# KiCad board Rogelio Pineda part 3-AMLDC-2044B.kicad_pcb (continued)
## Routing (per net, layer and track width the routed paths; a pad name or vN(x,y) marks a point on that pad's centre or on a via; arc(x,y) is an arc through that point) (continued)
  Top w0.25: 127.64,230.52 126.76,230.52 UJ0.7 ; 127.64,230.52 128.42,225.01 C72.2 131.78,220.6 132.39,220 132.39,209.61 132.31,209.69 ; 127.64,230.52 127.87,230.75 ; 127.61,23.3 127.61,6.46 ; 127.61,23.3 127.61,47.86 ; 127.61,23.3 126.72,24.19 UV0.7 ; 127.61,6.46 127.04,5.89 126.58,6.35 UW0.7 ; 127.61,6.46 127.61,-1.32 126.47,-2.46 v1(126.42,-2.46) 126.42,-2.51 126.45,-2.49 ; 127.7,265.87 127.52,265.7 127.4,265.82 UG0.7 ; 127.7,265.87 127.7,282.33 ; 127.7,265.87 127.7,256.82 127.87,256.64 ; 132.31,209.69 UK0.7 ; 132.31,209.69 133,209 133,203.93 ; 127.61,47.86 127.07,48.41 UU0.7 ; 127.61,47.86 128.14,48.38 128.14,67.56 ; 132.82,162.29 132.51,162.6 UM0.7 ; 132.82,162.29 132.82,179.2 ; 132.82,162.29 132.71,162.17 132.71,160.42 128.1,155.82 127.99,155.82 127.99,145.94 ; 127.03,360.99 v2(127.53,363.54) 127.58,363.58 ; 127.03,360.99 R19.2 125,354.15 CR1.2 124.53,350.4 R49.2 126.98,347.95 126.98,339.63 127.03,339.58 127.03,338.79 126.51,338.26 ; 127.03,360.99 127.58,360.99 128.18,360.38 133.28,360.38 133.33,360.44 133.93,358.99 134.33,357.49 135.53,354.74 136.73,352.38 137.03,352.08 C45.1 137.03,348.13 C31.1 ; 127.85,320.57 UD0.7 ; 127.85,320.57 127.85,304.02 ; 127.85,320.57 R72.2 128.73,324.19 128.73,333.54 UC0.7 ; 127.74,247.92 127.87,248.05 127.87,256.64 ; 127.74,247.92 127.58,246.86 127.87,244.03 ; 127.74,247.92 127.55,247.73 UH0.7 ; v2(125.23,334.78) 125.18,334.84 UC0.7 ; 111.33,303.68 111.56,303.91 v1(111.6,303.95) 127.96,303.91 127.85,304.02 ; 127.87,230.75 125.1,224.61 C71.2 ; 127.87,230.75 127.87,244.03 ; 127.99,120.87 127.99,103.01 ; 127.99,120.87 128.13,120.73 UP0.7 ; 127.99,120.87 127.99,145.94 ; 127.99,103.01 127.83,102.85 UR0.7 ; 127.99,103.01 127.99,85.98 ; UE0.7 127.78,301.38 127.87,301.29 ; 127.87,256.64 128.28,257.06 R7.2 ; 128.14,67.56 127.99,67.72 127.99,85.98 ; 128.14,67.56 UT0.7 ; 133,203.93 132.8,203.74 C64.2 ; 133,203.93 133,195.16 132.91,195.07 ; 127.7,282.33 127.87,282.5 127.87,301.29 ; 127.7,282.33 127.64,282.38 UF0.7 ; 126.51,338.26 126.13,337.88 ; 126.51,338.26 126.35,338.26 UC0.7 ; 127.99,85.98 127.78,86.18 US0.7 ; 127.99,145.94 127.8,146.13 UN0.7 ; 127.87,301.29 127.87,304 127.85,304.02 ; 132.91,195.07 132.79,194.96 127.63,194.96 127.26,194.59 C65.2 ; 132.91,195.07 132.91,179.29 132.82,179.2 ; 127.87,244.03 120.3,243.8 v1(115.28,242.98) 115.35,243.01 ; 426.85,106.37 429.33,108.8 428.98,109.15 429.16,115.72 429.47,118.97 429.66,120.77 429.87,125.68 R25.2 428.98,128.79 429.28,128.79 429.68,129.19 429.68,131.08 C8.1 ; J2.1 81.25,160.35 v2(81.33,160.44) ; 132.82,179.2 UL0.7 ; J1.99 81.13,194.13 81.13,194.13 v2(81.18,194.13) 81.18,194.19
V0p10: length 7.8
  Top w0.15: UV0.5 120.09,25.47 120.16,30.72 120.16,31.57 UV0.10
V0p13: length 7.8
  Top w0.15: UV0.13 112.58,31.6 112.58,30.51 112.54,27.94 112.46,25.32 112.46,24.52 UV0.2
V1p12: length 8
  Top w0.15: 153.84,39.49 153.79,39.44 v1(153.72,39.44) 153.72,39.36 153.65,39.3 153.65,39.09 153.3,38.74 153.3,33.19 153.25,33.14 UV1.12
V1p13: length 13.7
  Top w0.15: 148.74,44.94 v1(148.74,45) 148.59,43.5 148.56,43.22 148.44,42.68 148.39,41.29 148.42,40.41 148.44,39.66 148.56,39.08 148.76,38.45 148.89,37.92 149.04,37.04 149.53,35.86 149.72,35.15 150.04,34.39 150.35,33.47 150.49,32.98 150.71,31.75
V3p10: length 7.6
  Top w0.15: 239.36,31.17 239.36,23.55
V3p13: length 7.8
  Top w0.15: 231.74,31.17 231.74,30.69 231.98,30.45 232.11,24.94 231.74,23.55
(no net): length 18057.1
  Top w0: 81.24,324.49 81.25,324.5 v1(82.12,324.5) ; 92.28,324.5 v1(92.32,324.54)
  Top w0.15: 134.47,277.51 133.96,267.21 133.89,266.18 133.73,262.52 133.86,262.15 134.02,261.41 134.23,259.2 133.88,257.55 ; v1(435.61,319.84) 435.44,316.95 435.42,312.99 435.52,312.17 435.38,300.4 435.23,289.38 435.08,273.42 435.08,269.59 435,257.99 435.21,231.03 435.35,229.04 435.35,225.92 v1(435.26,225.84) ; 320.5,153.18 320.55,153.13 ; 320.55,153.13 320.34,149.91 320.37,149.16 320.27,146.13 320.11,144.72 320.05,143.1 319.77,140.56 319.47,139 319.38,137.88 319.18,136.62 319.09,135.36 318.86,134.05 318.68,132.8 318.57,131.26 318.48,130.41 318.37,125.2 318.14,118.52 317.98,92.01 317.93,90.49 317.92,88.57 317.87,87.64 317.76,83.15 317.81,81.66 317.76,76.5 ; 320.55,153.13 320.63,158.59 320.66,159.47 320.83,165.66 320.56,167.03 320.44,167.93 320.18,169.09 319.79,170.93 319.37,171.98 v1(319.01,172.65) ; 223.62,116.12 223.77,114.8 223.62,113.53 v1(223.62,112.17) ; v1(285.47,211.74) 285.54,211.74 288.37,209.3 289.08,208.62 290.07,207.08 289.85,203.46 289.63,202.43 289.32,200.95 289,198.96 288.56,194.89 288.47,193.6 288.05,190.07 287.74,187.61 287.66,175.51 287.59,172.47 287.83,141.8 287.59,133.82 287.43,129.44 ; v1(417.59,222.41) 417.71,224.09 417.57,246.1 417.63,247.47 417.76,255.39 417.76,256.29 417.85,260.4 417.92,261.56 417.69,262.06 417.53,263.08 417.99,264.34 418.1,268.74 417.79,269.13 417.65,270.6 417.74,270.69 417.74,270.86 418.14,271.54 418.04,272.66 418.03,274.11 v1(417.92,274.22) ; 256.65,47.78 v1(256.7,47.8) 256.91,49.13 257.17,50.35 257.21,52.01 257.22,55.84 257,56.05 257,74.83 257.12,75.94 256.84,108.88 256.85,111.9 256.74,114.08 v1(256.6,115.35) 257.13,119.76 256.67,179.95 256.59,185.74 v1(256.41,187.13) ; v1(223.78,287.66) 223.94,288.62 224.18,289.84 224.37,291.46 224.49,294.06 224.48,295.81 224.48,314.65 224.44,317.69 ; v1(281.65,328.19) 281.65,304.24 v1(281.54,304.13) ; v1(399.47,245.04) 399.5,245.07 399.5,246.66 399.4,247.05 399.22,248.3 399.09,251.04 398.98,252.01 399.07,271.39 399.21,279.02 399.33,310.04 399.38,310.8 399.41,313.57 399.61,315.33 399.85,318.55 400.08,322.38 399.98,322.99 v1(400.02,323.03) ; 139.92,160.07 140.29,161.89 v1(140.67,162.95) ; v1(333.3,125.94) 332.86,125.08 332.74,124.81 332.47,123.22 332.4,122.68 332.23,121.63 332.18,120.14 332.18,116.02 332.33,114.82 332.56,111.12 332.84,109.86 332.97,106.81 v1(332.97,106.8) ; 254.2,8.35 254.2,8.45 v1(254.25,8.5) 254.2,8.55 254.2,9.53 254.38,10.22 254.56,12.81 254.61,13.43 254.9,16.2 255.04,17.75 255.2,28.15 255.05,29.54 254.88,32.87 254.67,34.99 254.35,36.94 254.01,38.6 253.87,40.47 253.74,43.87 253.59,75.55 253.57,78.23 252.93,103.68 252.97,113 253.41,118.81 253.71,120.05 v1(253.81,120.97) ; v1(366.31,176.57) 366.29,175.3 366.25,174.26 366.11,169.78 366.13,168.93 366.06,166.43 366.07,164.95 366.03,161.34 365.99,160.51 365.89,157.31 365.89,156.37 365.81,154.81 365.73,153.11 365.8,152.34 365.69,151.3 365.71,151.28 365.85,148.5 365.94,147.4 366.12,145.21 366.15,144.49 366.25,143.47 366.38,139.85 366.35,133.22 366.35,131.71 366.35,130.5 366.3,127.69 366.34,123.8 366.27,123.05 v1(366.08,121.95) ; 104.46,122.23 104.43,122.27 v1(104.43,123.51) ; 281.45,204.98 281.76,196.14 282.31,191.59 283.05,185.08 ; v1(363.07,242.76) 363.32,242.49 363.29,242.08 v1(362.98,235.11) ; v1(179.27,179.66) 179.06,181.39 179.2,182.25 ; 224.44,317.69 224.02,318.11 v1(223.94,318.11) ; 224.44,317.69 224.44,317.76 ; v1(134.4,48.33) 134.5,52.15 134.49,52.76 134.72,54.4 134.87,57.71 134.91,59.31 134.97,60.96 135.07,62.69 135.07,67.96 135.49,69.59 135.75,72.31 135.92,73.24 136.09,74.66 136.42,76.41 136.45,81.44 136.21,82.72 136.07,84.95 136.03,85.3 135.41,91.22 135.17,93.39 135.1,94.67 134.96,95.33 134.77,99.12 134.84,100.49 134.79,102.52 v1(134.65,112) 133.94,112.71 133.71,113.62 133.17,115.7 133.04,127.65 133.17,129.22 133.91,132.99 134.26,134.16 135.21,138.32 135.43,139.83 135.83,144.18 136.01,145.35 136.28,150.25 136.36,151.6 136.41,153.75 136.45,155.32 136.63,158.18 136.88,159.35 137.32,165.31 137.43,166.49 137.65,168.64 137.78,169.5 137.87,172.87 137.98,174.62 138.16,177.15 138.23,177.77 v1(138.13,179.46) ; v1(400.17,325.82) 400.48,325.69 401.23,324.49 401.83,323.11 401.48,318.17 401.38,317.16 401.37,316.43 401.34,316.18 401.3,314.68 401.31,314.16 401.33,313.87 401.46,312.32 401.86,311.21 402.19,310.35 402.53,309.3 402.62,307.62 401.9,304.4 401.58,297.39 401.48,293.76 401.28,288.93 401.15,282.61 401.12,278.45 ; 286.75,246.33 286.31,235.64 286.24,233.99 286.43,231.7 286.76,221.7 287.36,215 287.62,212.79 v1(287.75,212.14) ; 255.36,304.54 255.38,304.4 ; 255.38,304.4 255.55,303.51 255.87,294.39 255.86,293.58 255.82,291.2 255.84,286.95 255.58,283.34 255.65,282.9 255.25,279.87 254.82,276.54 254.48,272.35 253.95,266.06 253.82,261.3 253.88,260.61 254.03,256.15 254.15,255.15 254.54,252.89 254.78,251.39 v1(255.29,249.5) ; 255.38,304.4 255.32,304.67 v1(255.29,305.51) ; v1(289.01,357.56) 289.31,355.18 289.72,350.74 289.68,333.87 289.68,330.47 289.39,325.21 v1(289.12,323.23) ; v1(289.07,246.7) 289.29,248.59 289.48,250.52 289.85,252.42 290.15,256.74 290.11,258.88 290.15,262.39 290.08,263.25 v1(290.09,263.58) ; v1(89.94,232.8) 89.3,233.18 88.9,233.66 88.43,234.19 87.54,235.65 87.65,237.31 87.8,237.83 88.01,238.42 88.36,238.91 88.51,239.17 89.12,239.68 89.4,239.84 92.67,241.57 94.48,242.41 v1(95.94,243.13) ; v1(374.63,121.9) 375.21,146.82 375.09,198.47 375.15,211.21 375.15,211.92 v1(374.9,212.16) ; 324.31,78.11 324.58,95.75 324.43,104.32 324.95,106.51 325.18,108.05 325.08,109.33 325.13,111.52 325.31,113.1 325.49,116.04 325.99,117.9 326.37,120.62 326.93,122.47 327.7,126.61 328.36,129.98 328.77,133.02 328.63,140 328.73,144.98 328.74,146.21 328.64,162.14 328.69,162.18 328.69,182.25 328.77,191.14 328.77,199.88 328.84,202.44 328.81,211.45 328.58,214.34 328.2,222.3 327.93,227.16 327.83,228.33 327.61,233.8 327.34,237.55 326.93,246.74 326.75,249.22 326.56,253.65 326.43,255.09 325.93,268.71 325.67,274.33 325.36,283.15 325.18,284.95 325.04,287.15 324.77,297.04 324.83,301.3 324.9,309.18 324.92,311.96 325.13,335.88 325.08,335.93 v1(325.08,338.18) ; 253.02,4.64 v1(252.9,4.73) 252.88,5.2 252.44,6.68 251.34,10.91 251.22,11.97 250.83,14.94 250.15,17.81 249.93,20.01 249.71,21.38 249.72,23.31 249.65,25.32 249.83,26.36 249.99,37.23 250.03,37.28 250.03,46.41 250.16,49.66 250.41,58.76 250.39,58.79 250.46,68.54 250.62,75.16 251.01,80.48 251.13,81.62 251.22,83.17 251.17,85.39 250.76,88.42 250.64,89.95 250.58,91.18 250.52,93.62 250.51,97.75 250.49,102.64 250.22,113.14 250.11,119.15 250.49,120.5 250.89,121.95 251.76,124.48 252,126.33 252.24,127.91 252.27,132.44 252.29,136.36 252.24,138.65 v1(252,142.12) ; v1(99.01,64.91) 98.8,65.39 98.42,66.51 98.08,67.72 97.74,69.1 97.55,71.79 97.39,73.01 97.39,75.38 97.39,76.99 97.48,78.33 97.55,79.47 97.59,83.54 97.65,84.22 97.52,85.48 96.67,87.07 96.38,87.93 95.19,89.35 93.26,91.1 92.43,91.74 ; v1(183.59,137.65) 184.14,160.02 183.62,175.34 183.6,176.49 v1(183.39,179.55) ; v1(172.18,288.21) 172.39,289.2 172.76,290.3 172.79,292.29 172.59,295.91 172.13,298.5 171.7,303.78 171.7,307.21 171.6,308.65 171.84,312.47 172.78,314.11 173.27,315.27 173.39,316.2 173.39,321.31 173.38,322.68 173.26,324.93 173.22,326.5 173.52,329.65 173.8,331.76 173.87,332.9 173.93,334.61 174.15,339.28 174.29,340.33 174.39,343.13 174.54,344.5 174.37,348.31 173.61,353.24 173.38,356.28 173.29,357.18 v1(173.29,360.27) ; v1(102.99,146.39) 103.12,145.46 103.47,141.62 ; v1(102.99,146.39) 103.23,146.64 ; v1(102.99,146.39) 102.79,146.2 ; v1(338.22,165.01) 338.45,166.19 338.6,168.77 338.6,170.09 338.58,171.6 338.5,174.94 338.32,179.62 338.17,182.53 337.76,189.25 337.59,191.32 337.48,193.61 337.4,194.23 337.22,198.61 337.07,199.75 336.84,201.54 336.06,203.05 335.74,204.11 334.66,205.92 334.21,208.16 334.01,210.06 334.14,213.38 334.08,215.84 334.16,220.9 334.14,223.25 334.31,229.09 334.23,229.18 334.23,237.39 334.16,239.01 334.16,252.4 334.11,252.45 334.11,254.31 334.14,256.3 334.4,267.19 334.46,269.99 v1(334.63,274.44) ; 138.84,334.17 138.63,332.56 138.35,330.46 137.82,328.66 137.56,323.77 137.64,321.59 137.51,319.95 137.4,300.32 137.29,299.09 137.2,292.72 137.2,291.82 137.12,288.93 136.9,286.35 136.82,284.8 136.63,280.63 136.59,278.73 136.41,276.88 136.39,275.45 135.97,267.47 135.87,266.09 135.93,264.28 136.31,261.96 136.21,259.08 135.96,257.71 135.75,256.04 135.81,254.75 135.97,247.77 135.97,246.6 135.93,243.86 135.92,243.01 135.97,240.59 136.39,238.44 136.92,234.87 136.91,234.09 137.12,227.17 137.26,225.45 137.52,222.59 137.86,220.33 138.55,214.13 138.63,213.66 139.02,210.78 138.91,208.92 138.25,206.67 137.65,205.06 136.96,203.12 136.45,201.95 136.25,200.94 135.87,199.85 135.49,198.5 135.28,196.89 ; 173.71,291.96 173.75,288.88 173.24,284.5 173.25,282.34 173.33,281.57 173.65,279.69 173.85,278.04 173.63,275.38 173.4,273.51 172.73,270.35 173.31,267.2 173.55,266.42 173.81,264.38 174.03,263.13 174.07,261.97 174.02,259.16 174.03,258.6 173.8,254.06 173.88,248.01 173.98,239.53 173.98,238.8 174.02,232.65 174.06,231.81 173.94,225.98 173.95,223.86 173.92,221.07 173.97,217.14 173.94,212.94 174.07,209.69 174.07,206.22 174.09,205.88 174.09,201.29 174.07,200.81 174.17,197.56 174.17,183.67 174.15,182.97 174.08,179.76 174.08,168.38 173.88,153.44 173.93,150.52 173.32,143.21 172.97,141.95 172.76,140.78 172.22,138.87 171.9,136.77 171.86,135.2 171.96,130.19 v1(172.26,128.68) ; v1(405.09,307.58) 404.95,308.36 404.62,309.3 404.45,309.88 404.19,310.48 403.82,311.79 403.71,312.68 403.57,314.23 403.56,316.87 403.7,323.63 403.4,325.54 403.24,326.1 403.06,327.14 402.92,328.55 402.87,328.96 402.76,329.56 402.76,336.08 402.7,336.63 402.73,337.49 402.89,339.46 403.01,340.07 403.3,341.34 403.43,341.84 403.68,342.72 404.1,343.5 404.34,344.21 404.44,344.69 v1(404.54,345.58) ; v1(221.98,247.76) 221.28,249.17 221.23,268.19 221.25,281.36 221.04,291.42 220.91,295.38 220.82,296.35 220.73,300.11 221.14,302.22 220.94,303.77 220.49,304.62 ; v1(363.07,287.12) 363.14,288.38 362.97,290.43 362.79,293.2 362.69,294.36 362.69,295.82 362.65,300.14 362.74,301.97 362.74,305.87 362.73,307.27 362.69,311.87 362.76,313 362.92,317.06 363.01,318.52 363.3,322.14 363.47,324.14 363.7,327.52 363.81,328.2 364.03,330.33 364.2,331.48 364.32,332.78 364.73,336.59 364.96,339.18 365.01,343.63 364.95,344.78 364.87,345.54 364.49,348.92 v1(364.33,349.39) ; v1(85.72,82.65) 86.1,81.79 86.32,80.69 87.21,78.31 87.38,77.4 87.66,74.88 87.76,74.3 87.69,73.86 87.74,72.78 87.72,71.75 87.62,69.88 87.22,68.53 86.96,67.5 86.09,66.39 84.95,65.79 84.69,65.61 83.78,65.41 v1(82.41,65.34) ; v1(367.93,312.5) 368.41,312.02 368.66,304.2 368.46,302.2 368.28,301.73 367.66,300.15 367.37,299.37 366.96,298.4 366.81,297.45 367.09,295.94 367.23,295.42 367.39,294.44 367.53,293.82 367.59,293.14 367.78,292.23 368,291.23 368.13,290.48 368.3,289.35 368.43,288.48 368.43,287.21 368.37,286.95 368.29,286.45 367.97,285.46 367.43,284.32 367.28,283.82 367.09,282.9 366.9,281.59 366.85,280.58 366.7,278.17 366.66,277.11 366.75,275.68 367.05,273.96 367.3,272.74 367.36,270.69 367.04,269.67 366.54,268.32 366.16,267.06 366.25,265.64 366.6,264.44 367.18,262.62 367.58,261.58 368.23,259.69 369.12,257.7 369.67,253.79 369.7,250.33 369.86,242.27 369.52,238.69 369.09,236.72 368.9,234.89 369.26,233.48 369.85,232.11 370.2,231.32 370.52,229.89 370.36,228.05 369.96,226.89 369.58,225.43 369.2,224.06 368.99,220.12 369.02,219.4 368.94,218.77 369.02,215.59 368.93,214.51 368.73,212.01 368.65,211.3 368.54,207.65 368.48,207.42 368.57,203.13 368.72,194.9 368.76,194.25 368.7,193.91 368.69,193.48 367.9,189.97 367.74,188.95 367.47,188.04 367.23,186.97 367.12,186.2 367.16,185.11 367.29,184.13 v1(367.43,182.87) ; v1(82.15,290.2) 82.47,290.2 84.07,292.8 84.97,296.25 86.35,300.96 87.76,304.53 88.17,305.37 90.7,309.07 90.93,309.07 v1(91.07,309.2) ; v1(407.69,215.99) 407.77,215.12 408.02,214.32 408.28,212.76 408.4,212.03 408.47,210.93 408.58,208.48 408.62,207.99 408.57,204.75 408.5,203.37 408.52,202.42 408.32,201.35 408.24,199.49 408.04,198.19 407.89,196.52 407.68,195.05 407.59,193.88 407.39,192.33 407.27,190.5 407.17,188.88 406.96,176.16 407.02,174.41 406.96,172.51 406.95,170.13 406.84,158.24 ; 337.93,75.83 338.22,76.12 338.22,116.27 337.95,116.54 v1(337.95,117.3) ; v1(181.78,14.96) 181.58,14.96 180.53,16.31 181,19.02 181.2,20.06 181.6,21.66 181.66,23.02 181.3,39.13 181.37,39.95 181.31,41.32 180.91,55.21 180.3,60.32 180.07,63.04 180.18,64.49 180.28,65.03 180.66,68.07 181.16,71.25 181.09,71.96 181.09,72.86 181.26,78.49 181.26,84.92 181.31,103.31 181.33,104.61 181.33,110.9 181.75,119.11 181.99,120.45 v1(182.4,121.16) ; v1(411.97,358.26) 412.18,357.79 412.58,356.94 412.59,351.14 412.59,349.2 412.56,337.51 412.55,333.18 412.5,325.67 412.47,324.15 412.33,313.01 412.33,311 412.35,307.68 412.41,300.83 412.28,296.93 412.17,295.59 412.04,294 412.04,292.5 v1(411.8,292.25) ; 83.67,30.79 83.5,30.62 v1(83.15,30.6) 83.13,30.62 ; 83.67,30.79 84.72,31.12 85.05,31.37 86.67,32.23 86.96,32.41 87.31,32.62 87.69,32.82 88.59,33.43 89.17,33.72 90.05,34.31 90.69,34.75 92.15,35.91 94.5,38.32 95,38.97 95.9,39.97 96.91,41.48 97.91,42.78 98.4,43.68 99.49,45.25 100.16,46.45 101.02,48.15 101.45,49.31 101.52,49.38 101.76,50.35 101.74,50.61 101.85,51.3 101.44,53.44 101.36,53.94 101.2,54.73 101.45,56.47 101.69,57.22 101.88,58.62 102.04,59.16 102.16,59.71 102.28,60.3 102.3,60.92 102.41,61.56 102.51,63.37 102.5,64.05 102.47,64.72 102.31,65.85 102.08,66.85 101.82,67.92 101.45,68.77 101.18,70.09 100.82,71.03 100.46,72.23 100.07,73.25 99.49,75.34 99.42,76.45 99.35,77.75 99.43,78.48 99.4,79 99.63,79.97 99.63,80.56 99.89,81.61 100.19,83.42 100.43,84.55 100.48,85.28 ; 83.67,30.79 83.54,30.67 ; v1(175.21,313.2) 174.88,312.24 174.85,311.71 174.75,308.46 174.74,301.5 174.71,299.4 174.85,293.21 174.89,290.33 174.76,286.55 174.71,285.71 174.62,284.84 174.4,283.59 174.06,282.91 174.88,280.9 174.74,280.3 174.88,277.46 174.81,276.78 174.58,274.32 174.34,273.11 174.22,271.98 174.09,271.33 174.16,268.66 175.39,264.07 175.32,259.87 175.03,255.2 175.05,253.42 175.7,251.88 176.04,250.68 177.11,248.66 177.14,240.71 177.11,240.68 177.11,232.9 177.07,232.87 177.14,232.56 177.21,231.46 177.21,220.34 v1(177.31,220.24) ; 253.68,301.23 253.68,301.62 253.73,300.82 254.21,297.05 254.42,295.47 254.45,295.04 254.63,292.94 254.52,291.48 254.54,290.24 254.57,287.5 254.18,283.29 253.89,280.46 253.8,278.75 253.38,272.28 252.95,268.17 252.58,264.71 252.55,263.53 252.36,259.75 252.35,256.85 252.32,248.67 252.33,244.98 252.45,241.25 252.51,240.86 252.72,238.77 253.2,235.56 253.42,234.79 253.52,234.79 v1(254.06,234.25) ; 327.37,76 327.56,105.4 327.74,112.69 327.82,114.52 328.03,115.93 328.39,117.32 328.45,118.09 328.84,119.34 329.15,121.07 329.45,122.15 329.82,124.48 329.98,125.19 330.09,126.27 330.37,127.44 330.49,128.07 330.82,129.62 331.09,132.1 331.43,133.8 331.47,224.04 v1(331.64,224.21) ; v1(178.86,327.18) 178.72,325.85 178.53,321.6 178.47,320.72 178.09,318.25 177.98,316.77 177.76,314.49 177.8,312.39 178.07,309.34 178.4,306.9 178.43,306.56 178.62,304.37 178.78,301.56 179.02,298.98 179.37,294.34 179.33,293.25 179.25,290.89 179.04,289.14 178.72,286.42 178.55,284.31 178.47,284.24 178.47,280.21 178.49,279.65 178.7,277.17 178.88,275.93 179.04,266.06 178.94,265.5 178.84,261.62 178.74,260.8 178.21,255.48 178.08,253.78 178.57,252.37 179.35,250.6 180.12,247.41 180.3,238.45 ; 212.27,159.76 212.17,144.36 212.21,144.31 212.21,137.05 212.26,137.01 212.3,129.06 212.27,127.76 212.47,125.09 212.93,120.8 ; v1(368.06,231.24) 367.97,231.98 367.92,232.39 367.86,233.11 367.87,235.71 368.13,237.07 368.47,238.56 368.62,239.21 368.83,240.17 368.89,240.9 368.81,252.7 368.52,255.34 368.08,257.77 367.45,259.46 366.87,261.25 366.47,262.22 365.79,264.23 365.53,264.86 365.28,265.86 365.23,266.6 365.3,268.33 365.52,269.59 v1(365.41,270.61) ; v1(97.38,49.15) 97.03,50.61 96.76,51.24 96.42,53.06 95.61,55.88 95.57,57.07 95.5,58.26 95.39,58.67 95.29,59.72 94.93,62.13 94.81,63.49 94.61,65.27 ; v1(337.02,211.05) 336.85,212.04 336.72,213.66 336.71,215.56 336.59,216.78 336.64,224.33 336.62,225.06 336.62,225.99 336.61,232.03 336.61,238.41 336.68,238.47 336.68,246.14 336.82,248.42 336.86,248.78 336.96,250.28 337.04,252.12 337.12,252.93 v1(337.09,254.18) ; 107.05,158.46 107.5,161.18 107.66,161.96 107.66,162.63 108.15,165.57 108.21,166.16 108.55,167.11 108.7,167.82 v1(108.99,169.79) ; v1(368.15,297.25) 368.31,296.53 368.47,295.76 368.41,295.4 368.53,293.22 368.93,290.82 369.12,290.03 369.39,288.37 369.48,287.28 369.26,286.09 368.82,285.04 367.87,281.8 367.71,280.74 367.62,279.99 367.63,279.58 367.58,278.08 367.61,277.04 367.58,276.09 367.71,275.23 367.84,274.72 368.45,271.29 368.1,269.83 367.87,269.35 367.25,267.74 367.17,266.73 367.12,266.23 367.3,265.34 368.2,263.16 368.64,261.78 368.99,260.89 369.38,259.45 370.05,257.71 370.53,255.19 370.65,254.63 370.8,240.91 370.78,239.73 370.66,238.83 370.56,238.06 370.06,236.3 369.87,234.97 370.23,233.58 370.61,232.69 371.28,231.12 371.44,229.77 371.42,229.19 371.38,228.05 371.01,227.29 370.93,226.69 370.39,225.16 370.02,223.3 369.9,214 369.89,213.98 369.73,212.88 369.64,212.09 369.46,209.09 369.72,206.81 370.71,203.9 371.19,202.57 371.36,197.64 371.45,195.67 371.4,176.72 371.17,173.35 371.15,172.97 370.66,170.13 370.24,167.15 370.19,166.32 369.88,158.01 369.85,157.14 369.78,149.65 370.66,147.06 371.23,145.44 371.43,144.82 371.57,144.12 371.81,143.24 371.8,141.23 371.74,136.19 371.29,130.11 371.17,128.97 371.1,128.47 v1(370.9,128.07) ; v1(82.28,274.14) 83.43,277.01 84.7,279.21 85.82,282.16 87.25,284.71 88.05,286.45 89.85,289.15 90.52,289.73 90.94,290.08 92.27,291.6 92.99,293.05 93.07,295.5 92.77,297.12 v1(92.28,299.24) ; v1(403.42,355.67) 402.97,354.7 402.32,353.71 402.03,352.93 401.8,352.47 401.34,350.58 401.46,344.45 v1(401.28,343.02) 401.39,342.6 401.5,342.21 401.48,340.79 401.48,339.83 401.31,332.97 401.34,332.31 401.37,331.58 401.44,328.69 401.55,327.84 401.81,326.74 402.21,324.81 402.61,323.02 402.58,319.71 402.49,318.07 402.44,315.46 402.44,314.48 402.42,313.66 402.53,312.8 402.86,311.33 403.11,310.64 403.49,309.67 403.58,307.63 403.4,306.12 403.26,304.99 403.13,303.96 403.14,303.5 402.91,301.3 402.79,299.59 402.79,299.11 402.76,295.28 402.82,294.22 402.92,288.51 403.04,287.73 403.21,286.48 403.31,286.1 v1(403.43,284.5) 403.23,284.01 403.11,283.65 402.79,282.02 402.71,281.39 402.53,279.54 402.54,278.44 402.54,275.89 402.58,275.27 402.69,273.95 402.81,273.02 402.94,272.1 403.25,270.77 403.57,268.19 403.03,265.88 v1(403.03,265.56) ; v1(82.48,80.38) 82.72,81.26 83.05,82.04 83.23,82.65 83.48,83 84.28,84.48 84.52,84.86 84.92,85.45 85.49,85.96 86.23,86.39 86.9,86.51 87.42,86.49 88.32,86.16 89.82,84.66 90.01,84.41 90.38,83.76 90.77,83.12 91.58,81.37 91.98,80.27 92.11,79.88 92.19,79.41 92.29,78.58 92.29,75.37 92.21,74.71 92.11,73.7 92.01,73.17 92.01,72.67 91.86,70.84 91.84,70.58 91.84,70.4 91.74,69.49 91.71,69.29 91.75,68.3 91.81,67.66 92.02,65.88 92.15,65 92.24,63.97 92.31,63.63 92.34,63.55 92.48,62.33 92.63,60.8 92.63,59.92 92.69,59.81 92.68,59.7 92.47,57.81 92.18,57.09 91.91,56.42 91.63,56.08 91.35,55.73 90.24,54.63 89.92,54.42 89.19,53.93 88.31,53.3 87.22,52.55 87.08,52.34 86.45,51.97 86.1,51.64 v1(84.75,50.99) ; 400.41,253.52 400.35,254.49 ; 400.35,254.49 400.38,253.79 400.64,252.34 400.74,251.63 400.86,250.75 401.18,249.84 401.77,247.67 402.22,246.56 402.69,245.11 402.76,244.72 402.96,244.21 403.34,242.59 403.55,239.42 403.58,238.1 403.59,228.09 403.6,226.53 403.39,223.66 402.99,221.91 402.38,220.52 401.47,219.07 401.41,219.07 400.44,217.32 399.52,215.88 399.12,214.77 398.77,213.12 398.69,206.88 398.68,205.7 398.5,167.23 398.77,162.44 398.71,159.89 v1(398.89,159.71) ; 400.35,254.49 400.22,258.8 400.22,260.68 400.19,264.62 400.2,265.35 400.2,275.26 400.17,276.91 400.45,288.72 400.45,292.98 400.71,306.14 400.81,307.74 v1(400.84,308.89) ; 408.9,191.93 408.92,193.07 409.07,194.57 409.06,195.8 409.32,198.89 409.33,199.5 409.43,201.55 409.66,204.67 409.67,206.57 409.78,211.05 ; v1(319.75,77.5) 319.53,78.51 319.42,79.56 319.32,81.9 319.2,83.05 318.99,97.16 319.02,111.8 319.21,113.49 319.92,115.37 320.75,117.23 321.22,118.35 321.57,119.69 321.61,120.64 321.67,122.2 321.56,129 321.63,130.17 322.1,135.77 322.28,136.67 322.52,138.63 322.73,139.64 322.73,140.17 322.94,141.87 322.91,142.81 323.07,144.56 323.05,183.18 323.05,184.52 322.73,195.77 322.62,196.95 322.53,198.12 322.47,199.02 322.32,199.45 322.16,200.85 322.04,201.93 322.04,202.33 321.82,204.14 321.63,205.34 321.5,206.14 321.26,208.24 321.16,209 v1(321.14,209.59) ; v1(330.91,259.49) 331.27,260.73 331.66,261.95 331.87,262.72 332.13,263.51 332.42,264.8 332.73,265.95 332.92,268.19 332.94,269.4 332.98,271.14 332.94,272.88 332.78,274.25 332.52,279.67 332.57,280.08 332.77,282.17 332.96,282.87 333.06,283.41 333.3,284.13 333.61,285.69 333.77,286.25 334.12,287.71 334.46,288.84 335.26,292.34 335.43,293.8 335.28,298.93 335.02,303.17 335.38,308.6 335.41,309.85 335.58,314.8 v1(335.35,315.79) ; v1(372.2,292.21) 372.24,291.07 372.33,289.98 372.45,288.93 372.58,287.79 372.56,287.06 372.63,285.43 372.55,284.83 372.14,283.57 372.23,283.66 371.64,282.56 370.93,281.24 370.41,279.41 370.28,276.5 370.67,273.98 371.02,272.56 371.24,271.63 371.55,270.33 371.61,269.6 371.48,268.02 ; v1(85.18,76.3) 85.33,75.43 85.38,73.52 85.5,73.12 85.39,71.22 85.22,70.37 85,69.59 84.5,69.09 84.24,68.81 83.69,68.51 83.1,68.44 v1(82.61,68.79) ; 335.94,114.35 336.09,113.55 335.74,104.89 ; 281.56,29.94 281.56,29.99 v1(281.58,30.01) 281.56,30.02 281.56,34.8 281.36,40.01 281.37,41.72 281.42,43.2 281.36,48.76 281.32,51.04 281.47,58.4 281.67,61.02 281.75,65.9 281.97,68.19 281.94,70.22 282.11,71.69 282.22,72.4 282.54,77.23 282.81,78 283.22,80.05 283.57,81.75 284.01,83.92 283.87,86.94 283.97,92.26 283.81,139.29 283.44,161.61 283.21,162.42 283.04,163.37 282.85,163.97 282.39,166.16 282.12,166.9 281.61,169.7 v1(281.31,170.51) ; v1(290.53,158.68) 290.35,157.65 289.87,156.1 289.72,154.91 289.71,147.69 290.04,140.81 290.22,137.65 290.55,134.41 291.01,127.08 291.12,117.04 291.29,111.55 291.25,106.12 291.4,83.99 291.35,77.82 291.35,65.55 291.33,65.53 291.07,62.14 291.14,58.87 291.3,52.41 291.35,52.37 291.14,49 291.21,45.36 291.21,38.8 291.18,38.77 291.18,33.34 291.18,32.13 290.95,27.13 ; v1(320.94,95.24) 320.94,96.04 320.82,96.24 320.58,97.47 320.47,99.01 320.24,106.55 320.31,111.83 320.53,113.17 321.06,114.58 321.68,115.89 322.52,117.51 322.79,119.22 322.66,129.57 322.79,132.36 323.17,135.7 323.34,136.5 323.78,138.63 323.94,139.25 324.04,143.56 324.13,144.56 324.19,147.63 324.16,149.26 324.26,156.27 324.25,156.29 324.25,166.76 324.26,166.77 324.26,173.94 324.22,174.69 324.06,186.61 324.03,190.83 324.03,192.32 324.1,196.66 324.13,197.86 323.89,202.74 323.79,203.85 323.39,207.08 323.14,208.57 322.92,210.11 322.86,210.42 v1(322.67,211.25) ; v1(183.93,106.95) 184.04,104.05 183.99,97.85 183.72,86.15 183.72,85.09 183.74,83.48 183.5,73.1 183.45,70.62 183.42,69.13 183.51,68.42 183.51,62.79 183.44,62.72 183.51,62.65 183.6,52.78 183.66,51.57 183.7,49.82 183.72,47.88 183.8,45.18 183.77,43.62 183.83,41.32 183.92,36.63 183.95,36 183.95,28.15 183.99,26.61 184.13,22.43 184.16,20.78 184.16,17.76 184.1,16.49 183.85,15.93 v1(183.85,15.33) ; 103.23,146.64 103.28,146.69 ; 103.23,146.64 103.23,146.7 103.61,148.14 ; v1(219.09,126.92) 219.22,127.9 219.33,128.89 219.29,129.74 219.38,131.16 219.38,133.19 218.84,147.85 218.73,149.18 218.56,155.87 217.83,161.22 218.64,167.66 218.76,171.3 218.7,171.93 v1(218.79,173.3) ; v1(182.91,293.75) 182.38,294.7 182.29,296.47 182.35,298.03 182.32,299.33 182.03,308.29 181.97,311.13 181.79,317.85 181.98,323.44 182.21,323.81 182.23,324.04 v1(182.27,324.61) ; v1(250.14,145.44) 250.47,143.76 250.25,140.9 251.31,132.22 251.42,130.12 251.08,126.04 249.91,123.19 249.12,119.3 249.35,100.32 249.24,91.29 249.24,85.2 v1(249.18,81.25) ; v1(409.5,349.87) 409.69,349.42 409.7,348.41 409.65,334.11 409.61,330.9 409.49,322.88 v1(409.38,320.23) ; 172.53,251.85 172.17,247.93 171.66,245.4 171.41,240.35 171.51,237.53 171.68,227.23 171.49,223.94 v1(172.18,221.49) ; 211.41,9.47 211.41,9.69 v1(211.35,9.76) 211.03,26.6 210.7,32.25 210.76,33.56 210.76,34.09 v1(210.57,34.29) 210.61,34.24 210.83,35.68 210.97,36.54 211.35,38.53 211.38,40.55 211.4,41.25 211.4,59.95 211.35,61.83 210.97,63.47 210.47,64.66 209.95,66.84 209.9,67.31 209.99,68.07 210.33,71.49 210.46,73.07 210.62,78.3 210.53,81.61 210.57,81.92 210.59,82.94 210.91,84.36 210.95,85.2 211.18,86.92 211.39,89.31 211.6,91.19 211.71,92.59 211.8,94.25 211.74,96.77 211.75,101.04 211.72,102.86 v1(211.17,105.63) 211.01,106.89 211.01,113.61 211.06,114.33 211.06,120.94 210.99,122.41 211.08,130.01 211.05,131.76 211.07,137.92 210.99,142.17 211.02,147.31 210.93,147.91 211.01,156.47 211.06,156.72 210.96,161.89 210.93,164.46 210.93,174.53 210.88,174.57 210.88,179.75 210.57,187.42 210.49,215.88 210.48,217 210.32,302.42 210.54,303.41 211.07,307.3 v1(211.21,308.09) ; 405.83,261.88 405.18,258.52 405.03,256.5 ; v1(158.66,225.21) 159.8,225.73 160.64,226.26 161.05,226.68 161.68,227.48 162.02,228.65 162.03,230.43 162.08,231.61 v1(162.16,234.76) ; v1(308.45,81.43) 308.88,82.33 309.04,83.83 309.39,86.55 309.51,88.1 309.61,89.1 309.7,90.64 309.84,92.16 309.96,95.04 309.96,95.51 309.98,96 309.91,100.54 309.91,101.11 309.98,108.13 309.96,108.14 309.99,114.44 310.03,122.82 309.84,123.82 309.63,124.31 309.45,124.58 309.45,124.6 309.28,124.81 308.94,125.13 308.26,125.65 307.49,126.26 v1(307.49,126.26) ; 251.47,23.95 v1(251.35,24.01) 251.98,25.29 252.3,27.36 252.3,29.6 252.4,32.38 ; v1(179.68,12.33) 179.68,12.61 179.55,13.02 179.42,13.4 179.31,13.83 179.28,15.79 179.46,17.15 179.61,18.37 179.97,19.85 180.61,23.52 180.78,25.24 180.66,28.4 180.64,29.41 180.42,35.55 180.39,36.04 180.17,40.74 180.16,47.21 180.07,53.63 179.89,56.18 179.7,57.43 179.33,59.63 179.09,63.46 179.04,64.53 179.17,65.8 179.48,67.01 179.84,69.19 179.94,70.34 179.95,70.89 180.06,71.51 180.07,72.47 180.25,75.25 180.31,77.27 180.28,78.56 180.32,82.27 180.32,82.82 180.29,84.02 180.2,94.99 180.28,99.86 180.22,101.31 180.33,105.95 180.3,106.59 180.39,111.82 180.39,113.27 180.82,119.34 180.92,120.3 ; 100.48,85.28 100.49,85.91 100.74,104.35 100.66,104.43 100.6,113.12 100.54,113.95 100.33,116.73 100.29,117.63 100.11,119.4 99.99,120.7 99.89,121.49 99.88,121.77 99.76,122.86 99.81,123.67 100.08,126.3 100.9,129.9 101.07,131.63 101.17,132.79 101.23,134.54 101.13,137.56 100.75,140.35 v1(100.52,141.56) ; 100.48,85.28 100.47,85.1 ; v1(409.32,314.98) 409.58,314.42 409.76,313.87 409.88,312.59 410,311.28 409.93,304.03 409.93,303.19 409.5,301.78 408.92,300.73 408.19,299.94 408.07,299.57 407.58,298.03 407.73,295.58 407.83,294.94 407.88,292.48 407.87,292.47 407.87,286.38 407.98,284.6 407.98,280.04 408.04,279.77 408.15,278.53 408.22,277.98 408.3,276.78 408.66,274.4 408.77,270.87 408.79,268.79 408.49,265.88 408.32,264.19 408.15,262.09 408.04,260.72 407.9,259.45 407.74,257.85 407.65,256.29 407.48,253.77 407.41,252.4 407.3,247.03 407.25,246.99 407.25,243.93 407.3,243.88 407.23,241.15 407.15,239.61 407.09,236.64 407.07,235.19 407.09,234.7 407.07,231.6 407.29,226.35 407.37,225.15 407.41,223.59 407.53,222.7 407.57,221.54 407.57,220.65 407.75,219.3 v1(407.63,218.31) ; 215.69,238.68 215.58,240.34 214.73,245.72 214.03,249.03 213.58,251.71 213.58,252.87 213.89,288.28 213.94,290.09 213.91,292.35 213.87,294.09 214.06,306.19 214.1,306.91 214.24,307.97 214.19,314.29 214.12,315.57 213.84,318.79 213.85,319.52 213.62,328.08 213.82,328.8 214.48,330.84 214.88,331.79 v1(215.36,333.07) ; v1(249.01,222.78) 248.77,207.34 248.65,204.55 248.59,190.08 248.65,173.34 248.43,151.96 v1(248.96,128.82) ; v1(170.86,293.98) 170.86,294.4 170.42,296.55 170.36,297.16 170.23,298.87 170.14,303.45 170.19,303.49 170.19,307.46 170.42,309.23 170.5,311.34 170.55,312.42 171.08,313.61 172.1,315.24 172.39,317.42 172.06,320.25 171.49,321.64 v1(170.79,321.94) ; 409.78,211.14 409.39,221.45 409.27,223.43 409.2,225.85 409.1,227.07 408.93,230.9 408.85,232.52 408.65,236.53 408.52,237.84 408.46,240 408.44,240.99 408.31,243.5 408.52,245.15 v1(408.97,246.3) 408.97,247.34 408.77,252.57 408.75,253.5 408.7,254.49 408.95,260.58 409.12,261.45 409.27,262.24 409.53,264.7 409.77,266.08 409.99,267.36 409.99,269.13 409.78,274.79 409.47,277.08 409.18,279.79 408.98,281.74 408.87,284.87 408.81,285.55 408.86,285.8 409.04,292.52 409.01,294.26 409.15,296.06 409.15,297.17 v1(409.26,298.46) ; v1(218.83,301.59) 219.17,299.78 219.6,296.88 219.94,273.76 219.88,271.22 219.91,269.06 219.64,263.07 219.53,261.86 219.16,258.06 219.02,257.06 218.83,254.7 v1(218.87,254.66) 219.38,253.27 219.72,251.29 219.67,238.02 219.3,231.27 218.91,225.06 218.86,224.17 218.4,214.78 218.07,211.02 217.44,201.76 216.95,196.5 216.49,189.93 215.92,186.66 215.04,182.83 214.81,180.91 214.91,166.67 214.95,165.65 215.01,162.23 214.87,160.51 215.05,157.91 215.31,154.61 215.51,152.79 215.5,150.05 ; 214.28,10.44 214.28,27.72 214.38,40.63 214.27,56.17 214.23,60.58 v1(214.17,60.91) 213.84,61.67 214.96,69.21 215.19,73.14 215.16,74.6 214.91,81.4 214.83,83.42 214.72,84.31 214.66,84.7 214.16,101.6 213.84,113.79 213.91,116.26 213.98,118.87 214.03,120.32 213.62,124.16 213.3,126.29 213.3,132.36 213.26,132.4 213.3,132.44 213.3,142.16 213.44,144.72 213.6,147.55 213.69,149.07 213.8,152.3 213.91,156.95 v1(213.68,187.07) ; 214.28,10.44 214.04,10.2 214.04,7.48 v1(213.92,6.15) 214.04,6.25 ; 214.28,10.44 214.08,10.25 ; v1(177.71,160.48) 177.44,158.31 177.53,157.54 177.32,154.83 177.3,152.35 177.09,145.35 177.06,143.12 176.96,136.32 176.93,135 176.92,130.11 177.21,127.33 177.66,124.27 177.65,122.74 177.47,121.35 177.22,118.26 176.98,115.26 176.95,112.83 176.85,79.29 176.9,77.78 176.73,75.69 176.72,75.68 176.72,73.67 176.58,73.02 176.39,71.03 176.31,70.53 176.26,69.52 175.86,67.18 175.69,65.8 175.72,64.94 175.52,63.74 175.66,62.42 175.7,61.83 175.73,60.94 176.46,57.36 176.42,43.07 176.7,36.49 176.93,34.12 177.25,32.72 177.35,28.73 177.25,27.08 176.73,24.74 176.31,23.43 176.07,22.36 175.69,21.29 174.68,18.29 v1(174.68,18.28) ; v1(217.43,293.21) 217.43,294.85 217.21,295.93 217.04,318.85 217.13,318.94 217.25,324.62 217.25,327.28 217.59,330.14 217.87,331.35 218.04,332.19 218.21,334.3 v1(217.15,336.82) ; v1(335.89,166.4) 335.82,166.03 335.93,165.01 336.47,163.57 336.98,162.23 337.45,161.33 337.66,160.67 337.82,160.03 338.13,153.6 v1(338.08,152.38) ; v1(141.67,309.23) 140.83,309.05 140.01,307.85 140.05,303.16 140.14,302.05 140.14,285.93 140.09,285.88 139.61,281.96 139.09,279.4 138.99,276.51 138.78,274.64 138.48,272.21 138.1,270.16 137.84,265.05 138.27,261.94 138.27,259.63 137.84,258.14 137.74,253.27 137.87,252.32 138.14,247.62 137.78,244.93 137.66,241.97 138.04,240.47 138.4,238.88 139.03,236.35 139.15,233.19 138.94,230.01 ; v1(142,249.53) 141.76,250.72 141.31,254.12 140.78,255.33 140.66,256.88 140.94,258.31 141.22,259.73 141.62,261.25 141.83,262.77 141.89,264.41 142.04,268.96 141.95,271.56 141.9,273.14 v1(141.74,275.07) ; 293.57,76.28 293.67,81.75 292.9,136.04 292.2,149.93 291.95,151.32 292.03,152.78 292.03,153.46 v1(292.41,153.85) ; v1(255.14,197.18) 254.87,196.91 254.87,187.65 254.77,185.4 254.87,180.94 255.21,178.73 255.47,171.37 255.51,169.53 256.04,143.16 256.04,140.29 255.93,136.59 256.16,125.94 256.12,124 256.13,122.16 255.95,119.81 255.52,117.86 255.13,116.75 254.81,114.85 255.3,112.74 255.63,108.88 255.67,103.12 255.72,75.74 255.64,60.42 255.52,57.97 255.62,57.87 255.62,54.54 v1(255.46,54.38) 255.62,54.21 255.62,53.99 ; v1(130.51,81.26) 130.01,80.37 129.76,78.34 129.73,61.81 129.66,58.89 129.66,48.49 129.64,41 129.58,23.56 129.64,5.74 v1(129.94,3.71) ; v1(293.65,151.34) 293.83,150.65 293.99,149.81 294.29,147.44 294.39,144.9 294.19,118.2 294.13,76.29 ; v1(324.26,212.92) 324.49,212.51 324.51,212.14 324.61,211.07 324.88,207.75 325.21,200.31 325.35,199.65 325.41,165.2 325.28,142.19 325.2,140.64 325.04,139.31 324.66,137.33 324.38,135.72 324.28,134.88 324.02,133.49 324.02,120.05 ; v1(140.6,121.16) 141.09,122.28 141.29,123.77 141.2,124.54 140.9,132.47 140.59,141.05 140.34,154.54 141.38,156.44 141.71,157.15 142.03,158.59 142.54,161.61 142.27,165.41 141.72,168.04 141.22,171.18 141.4,172.26 141.68,174.05 141.9,174.76 142.1,175.63 142.52,176.99 143.21,179.15 143.81,181.73 144.06,185.77 143.85,234.4 143.81,234.44 143.95,237.27 143.86,241.29 144.3,244.11 143.8,244.94 143.75,246.38 143.86,247.46 143.85,247.41 143.9,250.3 143.87,254.8 143.9,255.85 144.09,256.55 144.34,257.99 143.78,258.55 143.78,259.68 143.77,260.54 143.73,267.7 143.67,269.31 143.67,274.15 143.6,275.7 144.06,277.94 144.23,278.11 143.58,280.47 143.3,285.16 143.17,287.4 v1(143.01,290.31) ; v1(375.31,308.63) 375.66,308.13 375.75,307.42 375.84,306.92 376.01,305.68 376,305.44 376.01,304.99 376.11,302.6 376.11,302.11 376.02,281.74 376.03,280.9 375.97,278.69 375.99,277.42 375.87,272.38 375.92,272.12 375.8,248.87 375.79,247.64 375.74,244.8 375.73,243.46 375.8,241.78 375.68,237.04 375.68,230.89 375.38,226.45 374.9,225.53 374.42,224.76 373.96,223.62 373.69,222.97 373.53,214.75 373.48,213.81 373.57,212.14 373.87,210.55 374.24,208.91 374.22,190.68 373.87,169.53 373.76,168.65 373.59,167.83 v1(373.64,167.53) ; v1(215.6,23.88) 215.6,22.94 215.69,22.84 215.69,11.75 215.73,11.71 215.81,9.81 216.02,7.86 215.93,7.18 215.76,5.94 215.65,4.62 215.41,2.49 215.23,-0.53 v1(214.98,-2.28) ; 170.09,143.1 169.52,139.38 169.47,138.03 169.32,136.59 ; 93.92,283.6 93.92,287.04 94.15,288.62 94.76,290.67 95.34,292.11 95.6,293.4 95.81,293.9 96.07,295 96.2,295.46 96.64,297.55 96.71,297.88 96.81,301.47 96.58,303.7 96.29,304.48 95.78,305.83 94.97,307.64 93.94,309.25 92.81,310.42 ; v1(179.71,254.58) 179.86,254.74 179.86,256.8 180.19,258.16 180.3,266.84 180.21,266.93 180.28,266.99 180.44,271.03 180.31,273.53 180.16,276.41 179.42,280.39 179.64,285.18 179.89,286.3 180.02,288.11 180.34,291.21 180.17,294.77 180.21,295.25 180.14,297.45 179.89,300.97 179.52,305.63 179.12,309.67 178.97,310.99 178.97,313.99 179.1,314.9 179.32,315.97 179.59,318.05 179.79,319.04 180.07,320.7 180.12,321.55 180.59,325.96 180.69,327.32 180.88,328.49 v1(181.19,329.67) ; v1(333.57,160.96) 333.21,163.42 333.11,164.26 333.2,167.5 333.97,168.93 334.48,170.04 334.94,171.19 335.21,172.75 335.21,173.68 335.34,180.44 335.35,180.94 335.57,186.95 335.34,194.05 335.34,194.54 335.15,196.56 335.13,196.58 334.91,199.11 334.72,200.46 v1(334.56,201.22) ; v1(182.34,17.76) 182.45,17.87 182.45,24.14 182.51,24.58 182.49,25.87 182.54,30.45 182.63,30.53 182.43,32.92 182.48,34.34 182.44,35.41 182.44,42.27 182.39,42.31 182.49,42.41 182.49,46.28 182.37,46.4 182.2,52.39 182.14,53.21 182.14,55.08 181.96,56.44 181.51,59.45 181.07,61.28 181.21,64.95 181.41,66.06 181.7,68.51 182.11,70.57 182.24,86.12 182.07,86.28 182.37,113.69 182.49,114.61 182.51,115.3 182.76,116.24 183,117.24 183.98,118.93 184.22,119.93 184.26,119.97 184.26,121.53 184.04,122.09 v1(183.74,122.8) ; v1(183.59,223.96) 183.59,212.51 v1(183.55,212.48) 183.36,212.28 183.36,183.66 v1(183.55,183.47) ; v1(368.33,87.75) 368.42,87.84 368.57,90 368.65,90.81 368.75,91.8 368.85,92.73 369.03,94.12 369.22,95.88 369.22,97.36 369.17,98.23 369.16,98.65 368.92,109.91 368.94,110.49 368.9,111.29 368.86,112.49 368.57,122.51 368.53,124.4 368.42,131.35 368.46,131.39 368.61,137.61 368.59,138.65 368.63,143.06 368.47,144.79 368.2,147.56 368.02,148.33 367.8,151.14 367.94,156.9 368.08,161.24 368.18,165.31 368.26,167.32 368.5,168.6 368.77,170 369.13,172.31 369.35,173.55 369.48,175.41 369.65,177.63 369.61,179.1 369.4,182.64 369.14,184.32 v1(368.78,186.52) ; v1(85.45,108.38) 89.7,108.58 v1(90.48,108.8) ; v1(175.9,29.92) 175.33,29.92 175,30.25 175.22,46.85 175.18,51.51 175.2,52.03 175.48,56.33 175.15,58.35 174.17,61.67 174.34,63.24 174.47,64.12 174.93,69.01 174.98,70.08 175.55,75.62 175.71,77.46 176.09,84.28 176.06,112.48 ; v1(367.25,103.95) 367.35,107.37 367.4,109.99 367.42,111.59 367.64,120.56 367.67,121.71 367.62,123.26 367.6,124.59 367.59,125.44 367.48,131.44 367.47,131.71 367.46,133 367.53,140.55 367.51,142.87 367.34,144.67 367.24,145.49 366.91,149.91 366.9,150.42 366.89,151.27 366.9,158.19 367.03,160.25 367.1,162.23 367.24,164.01 367.22,165.15 367.24,167.25 367.51,168.79 367.72,169.64 367.9,170.58 368.18,172.04 368.22,172.86 368.33,173.96 368.43,174.88 368.4,174.91 368.31,177.01 368.28,177.69 368.13,178.69 367.83,179.65 v1(367.48,180.31) ; 371.48,268.27 371.1,266.94 370.49,265.04 370.41,263.65 370.49,262.06 370.79,261.23 371.25,259.55 371.53,258.89 371.68,258.54 371.94,257.84 372.14,257.29 372.41,256.37 372.58,252.11 372.62,249.24 372.67,241.95 372.65,237.4 372.52,236.99 372.23,235.67 371.89,234.97 v1(371.84,234.97) ; v1(373.46,163.93) 373.62,163.47 373.76,162.83 373.86,160.9 373.91,159.83 373.96,158.88 374.01,157.83 374.16,152.5 374.21,150.74 374.16,147.59 374.11,145.9 374.11,144.14 373.93,141.71 373.84,138.03 373.73,136.14 373.71,134.43 373.6,132.01 373.57,131.08 373.52,127.98 373.24,126.17 372.97,120.87 372.94,119.75 373.08,107.87 373.08,105.69 373.17,94.29 373.18,92.75 373.06,79.58 373.09,77.56 373.14,76.19 373.12,75.85 ; 170.05,142.82 170.8,146.12 171.27,148.53 171.66,151.49 171.71,155.31 171.33,158.45 170.58,160.48 169.64,162.46 169.24,164.05 169.11,166.87 169.11,168.45 168.99,187.99 169.06,188.05 169.06,197.38 169.11,197.73 168.96,218.59 168.93,218.62 168.82,242.37 168.83,243.8 168.79,245.39 169.14,249.28 169.3,250.08 v1(169.61,251.98) 169.44,252.99 168.89,256.37 168.87,266.02 ; v1(400.36,208.13) 400.36,206.2 400.34,206.18 400.25,183.26 v1(400.3,169.89) ; v1(141.67,306.96) 141.38,305.14 141.16,300.53 141.09,298.84 141,294.04 141.09,292.89 141.18,285.92 v1(141.6,285.5) 141.29,283.54 140.89,282.36 139.98,278.3 139.83,276.34 140.09,274.03 140.86,270.9 140.98,266.02 140.75,261.79 140.5,260.61 140.48,260.59 140.4,259.74 139.63,256.03 139.73,253.18 139.99,252.56 139.99,248.65 140,248.06 ; 282.49,229.94 283.49,232.76 283.92,235.65 ; v1(405.66,219.33) 405.54,218.51 405.61,218.07 405.61,216.67 405.62,216.42 405.7,215.73 405.65,215.01 405.74,214.4 406.02,212.65 406.16,211.72 406.39,210.7 406.59,209.31 406.72,207.9 406.88,207.06 407.05,205.1 407.15,202.38 407.15,201.72 407.01,200.03 406.96,198.92 406.72,197.76 406.24,194.35 406.06,193.44 405.83,192.23 405.76,191.34 405.63,190.16 405.66,189.54 v1(405.66,188.41) ; v1(94.56,298.1) 94.34,297.89 94.22,296.52 94.12,296 94.11,293.97 93.77,292.52 93.5,291.39 91.99,289.65 91.52,289.15 90.12,287.77 88.91,285.89 88.28,284.41 87.47,282.69 86.89,281.37 86.38,279.99 85.63,278.04 84.98,276.08 84.47,274.62 84.06,273.32 83.32,271.86 v1(82.28,271.01) ; v1(254.45,128.51) 254.65,130.71 254.8,132.96 255,135.34 254.96,138.52 254.89,142.23 254.94,145.92 254.67,149.44 254.94,154.19 254.91,158.64 254.85,163.13 254.71,167.2 254.31,173.48 254.2,174.79 253.96,179.5 253.53,184.6 253.13,189.98 252.89,195.11 252.69,198.69 252.44,204.79 252.11,210.06 252.13,216.06 251.8,219.53 251.71,222.38 251.42,227.34 251.58,228.61 251.47,230.3 251.47,232.83 251.58,239.17 251.49,245.71 251.78,264.14 251.71,265.12 251.82,265.7 v1(251.78,266.75) ; v1(104.93,6.62) 104.93,6.98 105.09,7.17 105.08,9.43 105.15,9.5 v1(104.97,10.23) 105.28,10.54 105.28,21.08 105.41,22.61 105.14,27.06 104.57,28.44 104.19,29.29 103.9,29.77 103.67,30.1 103.38,31.21 103.4,32.32 104,35.39 104.18,36.56 104.25,37.86 104.23,38.41 104.19,39.5 104.31,47.51 104.2,48.63 103.4,51.57 103.05,52.41 102.74,53.21 102.45,54.39 102.59,56.36 102.65,56.78 102.97,57.7 103.28,59.26 103.53,61.77 103.45,64.64 103.43,65.37 103.27,66.37 103.18,67.28 102.88,68.21 102.42,69.52 102.26,70.12 102.07,70.92 101.7,71.94 100.94,74.21 100.82,74.74 100.67,75.47 100.42,77.08 100.39,77.61 100.45,78.83 100.93,80.55 101.05,81.14 101.22,82.72 101.45,84.23 101.56,86.11 101.83,110.42 101.5,116.65 101.34,117.52 101.03,120.76 ; 220.8,169.16 v1(221.18,172.02) ; v1(136.99,58.61) 136.92,58.68 137.02,74.24 137.15,75.97 137.4,77.52 137.42,78.18 137.61,80.54 137.58,82.11 137.58,85.17 137.32,89.52 137.09,94.98 137.01,96.45 136.84,98.13 136.76,99.28 136.52,104.51 136.44,106.37 136.21,111.91 136.12,113.07 136,113.88 135.77,114.77 135.41,116.59 134.46,119.58 134.03,122.78 134.04,125.12 134.04,127.06 134.21,128.17 134.74,131.84 135.18,133.88 135.61,135.86 136.03,136.85 136.29,138.83 136.55,140.45 136.96,145.17 137.04,146.45 137.27,152.73 137.42,154.12 137.53,156.88 137.64,157.42 137.78,160.46 138.04,162.22 138.48,165.19 138.59,166.52 138.99,170 139.08,171.16 139.62,174.45 140.19,177.2 140.72,179.19